# Altium PCB PCB1.PcbDoc (part 2 of 2)
Units mm, origin at the board's own origin, x right, y up, seen from the top; angles counter-clockwise.
Board outline 100.71 x 88.01 mm, 2 copper layers (Top Layer, Bottom Layer); 154 components, 136 nets, 563 pads, 342 vias.
Unrouted connection lines stored in the file: 128.
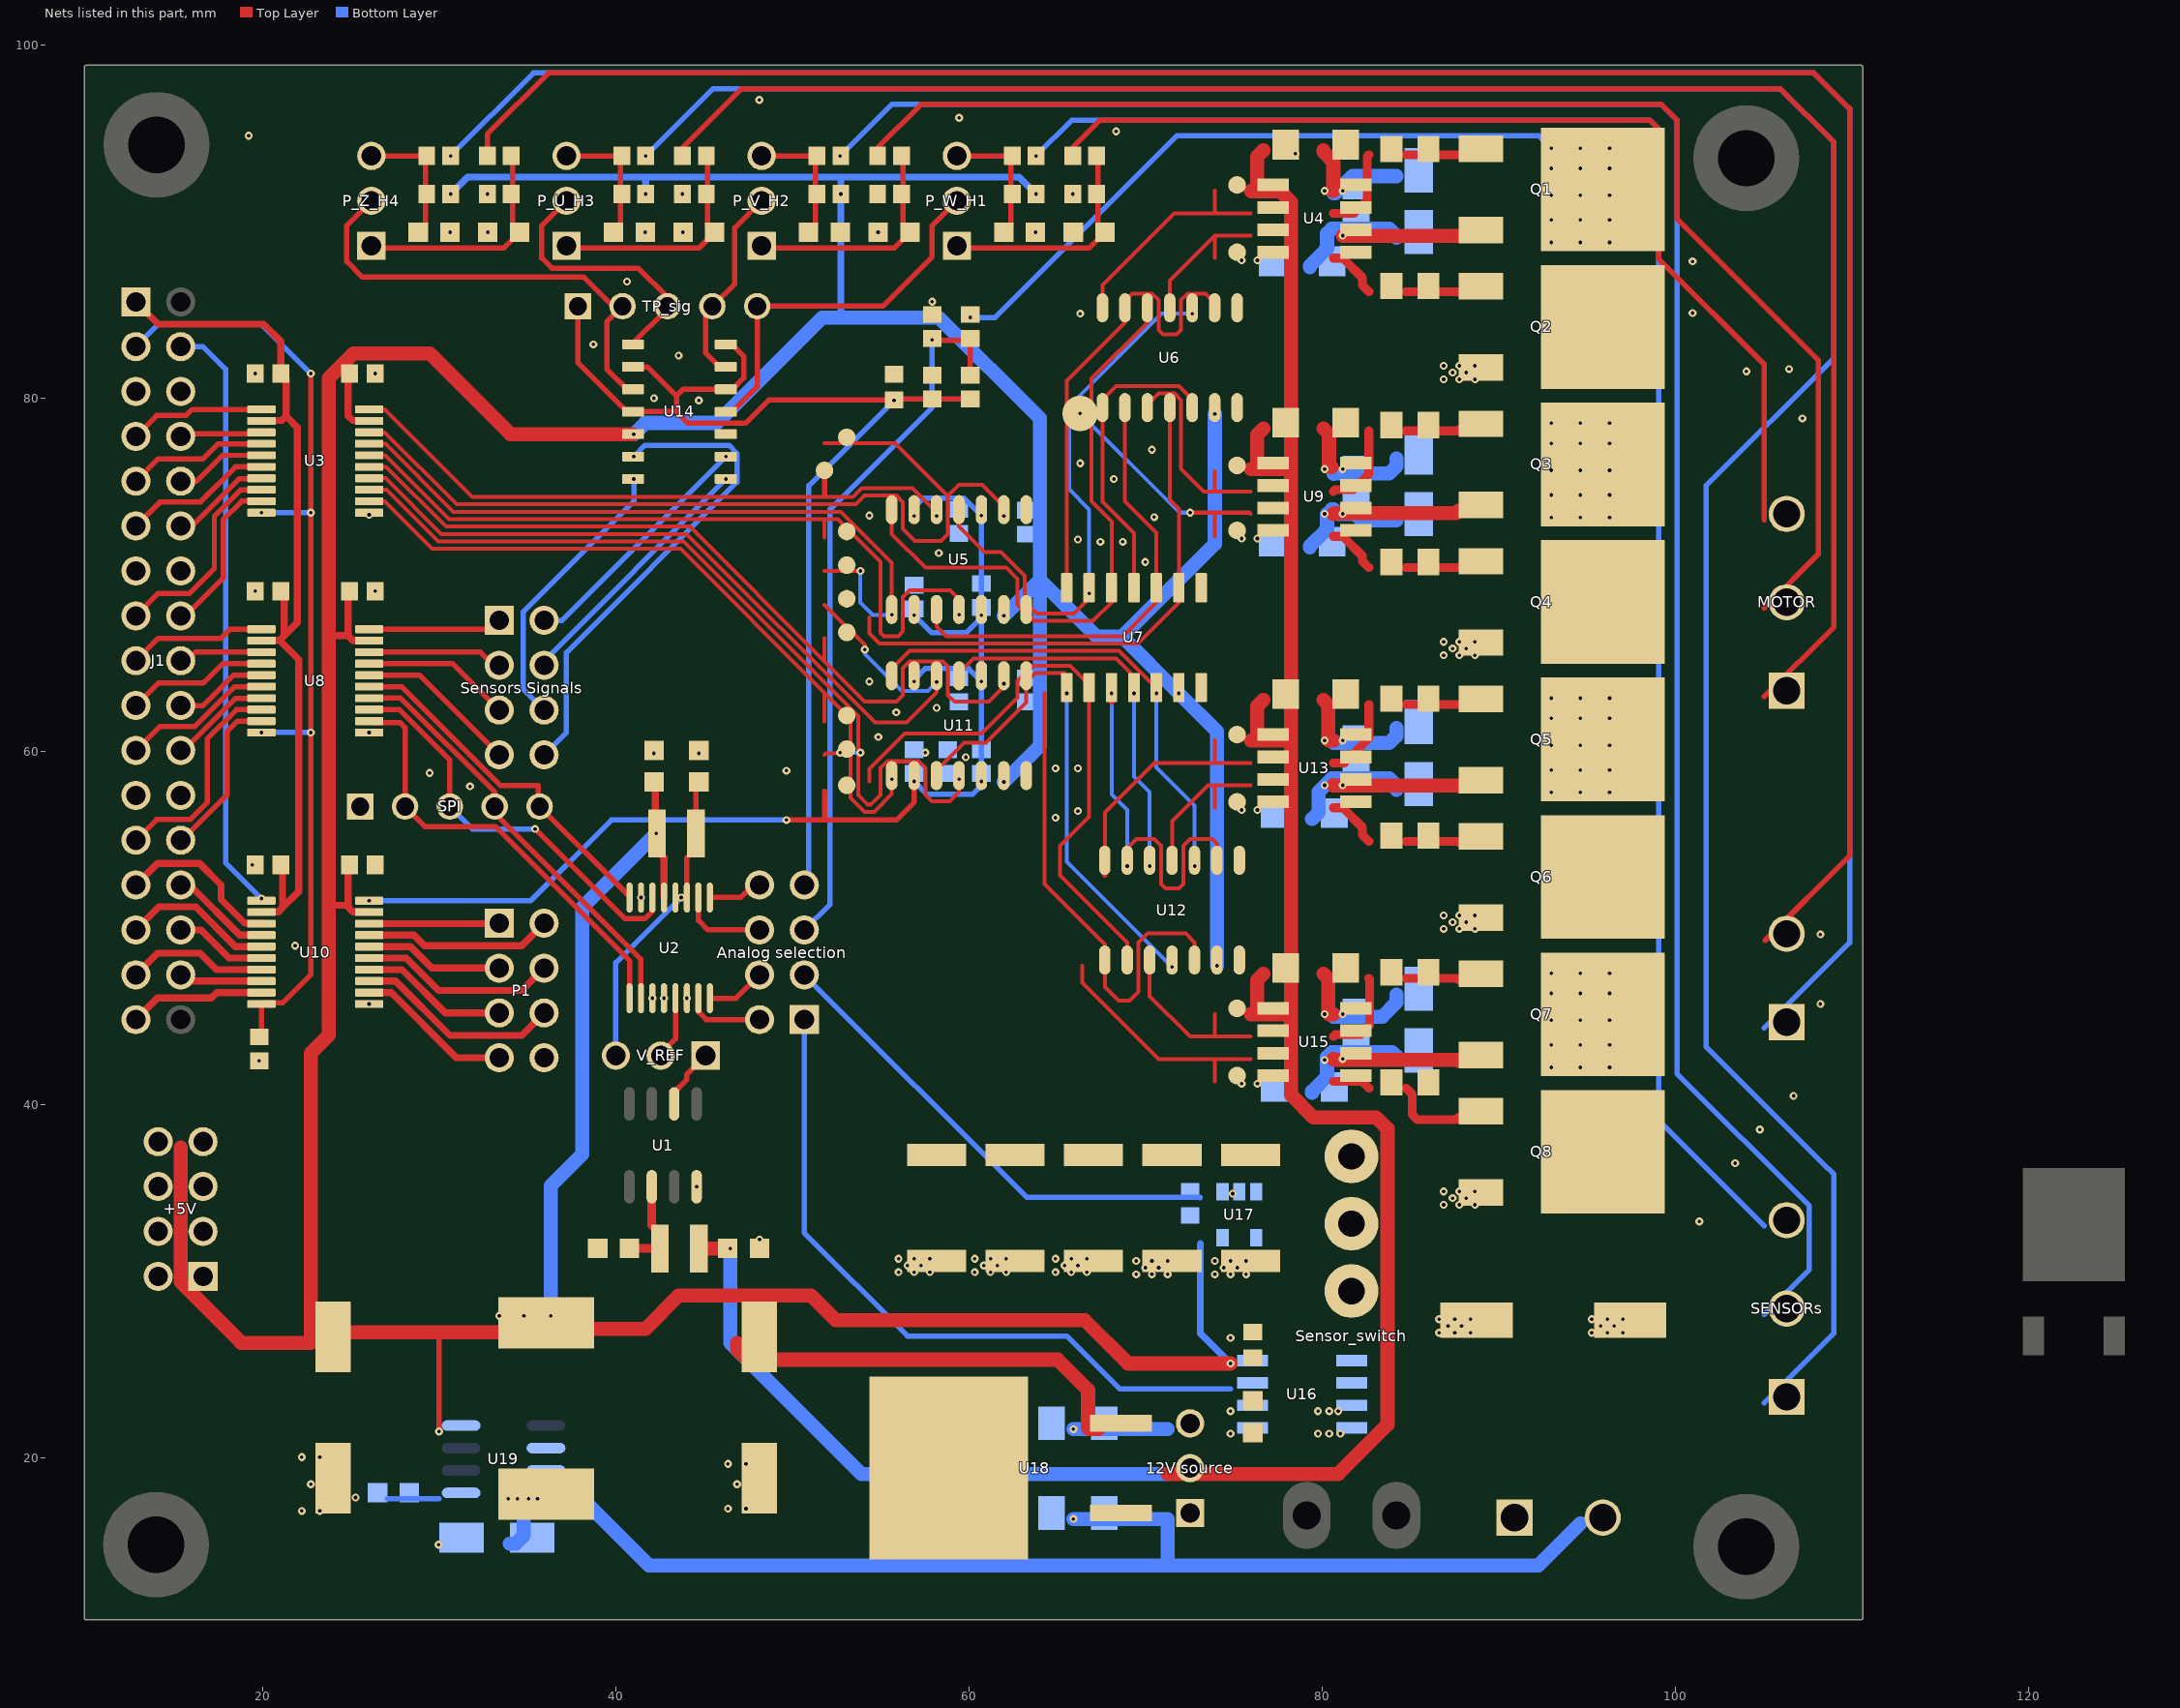
[diagram p2: the nets of this part, all layers, seen from the top]

## Via types
v1: diameter 0.45, hole 0.2, Top Layer to Bottom Layer, tented both sides, 341 vias
v2: diameter 2, hole 0.2, Top Layer to Bottom Layer, tented both sides, 1 vias

## Nets (pads, with @x,y where several pads share a name; then routed paths per layer and width w, separated by ;. In a path a pad name is that pad's centre, name@x,y a point inside that pad or via, vN(x,y) a via of type N, cw(c..) or ccw(c..) an arc to the next point about the centre after c; other vN are vias at no path point)
+5V: +5V.1 +5V.3 +5V.5 +5V.7 C5.2 C10.2 C14.2 C18.2 C24.2 C34.2 L2.1 L3.2 R5.2 R8.2 R11.2 R12.2 U2.13 U3.19 U5.14 U6.14 U7.14 U8.19 U10.19 U11.14 U12.14 U14.12 U16.8 U17.5 U19.4 | length 346
  Top Layer w0.3: 29.972,27.137 29.991,27.118 v1(29.991,21.521)
  Top Layer w0.4: 23.749,51.435 23.876,51.308 24.837,51.308 ; 23.749,66.675 23.853,66.571 24.837,66.571 ; C18.2@24.929,53.594 24.837,53.502 24.837,51.308 ; C14.2@24.929,68.961 24.837,68.869 24.837,66.571 ; C10.2@24.929,81.407 24.837,81.315 24.837,79.017 25.1,78.754 26.012,78.754 U3.19@26.037,78.729 ; U10.19@26.037,50.916 26.012,50.941 25.1,50.941 24.837,51.204 24.837,51.308 ; U8.19@26.037,66.283 26.012,66.308 25.1,66.308 24.837,66.571 ; C5.2@42.28,58.293 42.243,58.256 42.243,55.408 42.207,55.372 42.207,54.522 42.728,54.001 U2.13@42.728,51.745
  Top Layer w0.8: 15.367,37.592 15.367,35.052 15.367,32.512 15.367,29.972 18.738,26.601 18.802,26.537 22.733,26.537 ; U14.12@40.978,77.978 34.036,77.978 29.464,82.55 25.146,82.55 23.749,81.153 23.749,66.675 23.749,51.435 23.749,43.942 22.733,42.926 22.733,26.537 ; v1(74.803,25.368) 68.993,25.368 66.548,27.813 52.451,27.813 51.054,29.21 43.561,29.21 41.686,27.335 34.798,27.335 34.6,27.137 29.972,27.137 23.333,27.137 22.733,26.537
  Bottom Layer w0.4: v1(30.647,91.567) 31.606,92.526 41.656,92.526 ; v1(41.696,91.567) 41.696,92.486 41.656,92.526 ; 52.705,84.582 52.745,84.622 v1(52.745,91.567) 52.745,92.486 52.705,92.526 ; v1(63.794,91.567) 62.835,92.526 52.705,92.526 ; 73.091,32.159 73.091,27.08 v1(74.803,25.368) ; 41.656,92.526 52.705,92.526
  Bottom Layer w0.8: v1(36.322,28.067) 36.322,35.433 38.1,37.211 38.1,51.181 v1(42.291,55.372) ; v1(41.021,77.978) 41.656,78.613 45.72,78.613 51.689,84.582 52.705,84.582 58.293,84.582 64.008,78.867 64.008,69.723 ; v1(61.976,58.293) 64.008,60.325 64.008,69.723 ; v1(61.976,67.691) 64.008,69.723 ; v1(73.914,79.121) 73.914,71.755 68.672,66.513 ; v1(74.041,47.879) 74.041,61.145 v1(71.882,63.304) 68.672,66.513 ; 64.008,69.723 67.218,66.513 68.672,66.513
  other v1: 33.401,28.067 34.798,28.067
+12V: "12V source.2" C3.2 D1.1 D3.1 D5.1 D7.1 L1.1 U4.1 U9.1 U13.1 U15.1 | length 141.6
  Top Layer w0.8: L1.1@44.704,31.877 C3.2@46.355,31.877 ; 71.247,19.108 80.899,19.108 83.693,21.902 83.693,38.666 83.058,39.301 79.502,39.301 78.232,40.571 78.232,45.27 ; 75.946,45.143 76.262,45.143 ; 75.946,60.637 76.262,60.637 ; 75.946,76.004 76.262,76.004 ; 76.659,47.429 76.302,47.072 76.302,45.183 76.262,45.143 ; 76.659,62.923 76.302,62.566 76.302,60.677 76.262,60.637 ; 76.659,78.29 76.302,77.933 76.302,76.044 76.262,76.004 ; 76.659,94.038 76.302,93.681 76.302,91.792 76.262,91.752 75.946,91.752 75.986,91.712 77.637,91.712 78.232,91.117 78.232,75.877 ; 76.262,45.143 78.105,45.143 78.232,45.27 ; 76.262,60.637 78.232,60.637 ; 76.262,76.004 78.105,76.004 78.232,75.877 ; 78.232,45.27 78.232,60.637 ; 78.232,60.637 78.232,75.877
  Bottom Layer w0.8: v1(46.482,31.877) 46.482,26.543 53.917,19.108 71.247,19.108
CS: SPI.2 U2.1 U8.12 | length 25.1
  Top Layer w0.3: U8.12@26.037,61.733 26.112,61.658 27.777,61.658 28.067,61.368 SPI.2@28.067,56.896 29.21,55.753 33.202,55.753 40.778,48.177 U2.1@40.778,46.045
CS_fpga: J1.26 U8.9 | length 9.5
  Top Layer w0.3: J1.26@15.367,54.991 15.439,54.991 17.988,57.54 17.988,61.133 18.587,61.733 U8.9@19.937,61.733
DIN: SPI.4 U2.2 U8.14 | length 24.4
  Top Layer w0.3: U8.14@26.037,63.033 27.816,63.033 33.147,57.702 SPI.4@33.147,56.896 33.147,56.515 41.418,48.244 41.418,46.055 U2.2@41.428,46.045
DIN_fpga: J1.22 U8.7 | length 5.8
  Top Layer w0.3: J1.22@15.367,60.071 15.511,60.071 18.466,63.026 19.93,63.026 U8.7@19.937,63.033
DOUT: SPI.3 U2.14 U8.13 | length 23.4
  Top Layer w0.3: U8.13@26.037,62.383 27.759,62.383 30.607,59.535 SPI.3@30.607,56.896 ; v1(35.433,55.626) 40.514,50.545 41.645,50.545 42.078,50.978 U2.14@42.078,51.745
  Bottom Layer w0.3: SPI.3@30.607,56.896 31.877,55.626 v1(35.433,55.626)
DOUT_fpga: J1.25 U8.8 | length 12.3
  Top Layer w0.3: J1.25@12.827,54.991 14.002,56.166 15.907,56.166 16.863,57.122 16.863,60.715 18.53,62.383 U8.8@19.937,62.383
GND: +5V.2 +5V.4 +5V.6 +5V.8 C3.1 C4.1 C5.1 C6.1 C9.1 C10.1 C13.1 C14.1 C17.1 C18.1 C19.1 C20.1 C21.1 C22.2 C23.1 C24.1 C25.1 C26.1 C27.1 C28.1 C29.1 C30.1 C31.2 C32.1 C33.2 C34.1 C35.1 D2.1 D4.1 D6.1 D8.1 D9.1 J1.5 J1.6 J1.13 J1.14 J1.23 J1.24 J2.1 P1.8 R2.1 R20.1 R21.1 R22.1 R24.1 R26.1 R28.1 R32.1 R33.2 R34.2 R35.2 R36.2 R37.2 R38.1 R39.1 R40.1 R41.1 R42.1 R43.1 R44.1 R45.1 R46.1 SPI.1 U1.4 U2.3 U2.4 U2.6 U2.15 U3.11 U4.4 U5.7 U6.7 U7.7 U8.11 U9.4 U10.11 U11.7 U12.7 U13.4 U14.3 U15.4 U16.3 U16.4 U16.5 U17.2 U17.4 U18.4 U19.6
  other v1: 29.972,15.113 22.225,17.018 23.241,17.018 46.355,17.145 47.371,17.145 25.273,17.78 22.733,18.537 46.863,18.537 46.355,19.685 47.371,19.685 22.225,20.066 23.241,20.066 74.803,21.394 79.756,21.394 80.391,21.394 81.026,21.394 79.756,22.664 80.391,22.664 80.899,22.664 74.803,26.818 86.614,27.109 87.503,27.109 88.392,27.109 87.122,27.49 87.884,27.49 86.614,27.871 87.503,27.871 88.392,27.871 69.469,30.411 70.358,30.411 71.247,30.411 73.914,30.411 74.803,30.411 75.692,30.411 56.007,30.538 56.896,30.538 57.785,30.538 60.325,30.538 61.214,30.538 62.103,30.538 64.897,30.538 65.786,30.538 66.675,30.538 69.977,30.792 70.739,30.792 74.422,30.792 75.184,30.792 56.515,30.919 57.277,30.919 60.833,30.919 61.595,30.919 65.405,30.919 66.167,30.919 69.469,31.173 70.358,31.173 71.247,31.173 73.914,31.173 74.803,31.173 75.692,31.173 56.007,31.3 56.896,31.3 57.785,31.3 60.325,31.3 61.214,31.3 62.103,31.3 64.897,31.3 65.786,31.3 66.675,31.3 48.144,32.385 101.346,33.401 44.577,35.369 103.378,36.703 104.775,38.608 106.68,40.513 75.438,41.206 76.327,41.206 19.812,42.505 26.037,45.716 108.204,45.72 42.078,46.045 42.728,46.045 44.028,46.045 21.844,49.022 108.204,49.657 41.428,51.745 19.42,53.594 64.897,56.261 66.167,56.642 75.438,56.7 76.327,56.7 31.75,58.039 29.464,58.801 49.657,58.928 64.897,59.055 66.167,59.055 59.817,59.69 42.164,59.907 44.704,59.907 57.531,59.944 54.864,60.833 26.037,61.083 55.88,62.23 58.166,62.484 54.356,63.97 19.595,69.088 26.379,69.088 69.977,70.739 58.293,71.247 67.437,71.882 68.707,71.882 66.167,72.009 75.438,72.067 76.327,72.067 70.485,73.279 54.356,73.368 26.035,73.406 68.199,75.438 66.294,76.327 70.358,77.089 107.188,78.867 44.704,79.883 42.164,80.01 19.595,81.407 26.379,81.407 104.013,81.534 106.426,81.661 43.561,82.423 38.735,83.058 66.294,84.798 100.965,84.836 57.912,85.471 40.64,86.614 100.965,87.757 75.438,87.815 76.327,87.815 30.618,89.408 32.755,89.408 41.667,89.408 43.804,89.408 54.853,89.408 63.765,89.408 32.726,91.567 43.775,91.567 65.873,91.567 78.486,93.853 19.214,94.869 68.326,95.123 59.436,95.885 48.133,96.901
H1: R13.2 SENSORs.3 | length 100.9
  Bottom Layer w0.3: v1(63.794,93.726) 65.826,95.758 98.552,95.758 99.06,95.25 99.06,50.332 99.06,39.116 105.029,33.147
H2: R14.2 SENSORs.2 | length 120.7
  Bottom Layer w0.3: v1(52.705,93.726) 55.626,96.647 99.187,96.647 100.076,95.758 100.076,41.783 107.569,34.29 107.569,30.687 105.029,28.147
H3: R15.2 SENSORs.1 | length 149.1
  Bottom Layer w0.3: v1(41.696,93.726) 45.506,97.536 105.918,97.536 108.966,94.488 108.966,82.296 101.727,75.057 101.727,43.307 108.331,36.703 108.966,36.068 108.966,27.084 105.029,23.147
H4: EXTRA.1 R17.2 | length 136
  Bottom Layer w0.3: v1(30.647,93.726) 35.346,98.425 107.823,98.425 109.855,96.393 109.855,49.189 105.029,44.363
I/O_0_fpga: J1.27 U10.3 | length 9.5
  Top Layer w0.4: J1.27@12.827,52.451 14.052,53.676 16.428,53.676 17.653,52.451 17.653,51.638 19,50.291 19.912,50.291 U10.3@19.937,50.266
I/O_1_fpga: J1.28 U10.4 | length 5.7
  Top Layer w0.4: J1.28@15.367,52.451 15.875,52.451 18.71,49.616 U10.4@19.937,49.616
I/O_2_fpga: J1.29 U10.5 | length 8.6
  Top Layer w0.4: J1.29@12.827,49.911 14.142,51.226 16.211,51.226 18.471,48.966 U10.5@19.937,48.966
I/O_3_fpga: J1.30 U10.6 | length 5.2
  Top Layer w0.4: J1.30@15.367,49.911 16.51,49.911 18.105,48.316 U10.6@19.937,48.316
I/O_4_fpga: J1.31 U10.7 | length 8
  Top Layer w0.4: J1.31@12.827,47.371 14.052,48.596 16.463,48.596 17.393,47.666 U10.7@19.937,47.666
I/O_5_fpga: J1.32 U10.8 | length 4.7
  Top Layer w0.4: J1.32@15.367,47.371 15.705,47.371 16.06,47.016 U10.8@19.937,47.016
I/O_6_fpga: J1.33 U10.9 | length 7.7
  Top Layer w0.4: J1.33@12.827,44.831 14.052,46.056 17.1,46.056 17.41,46.366 U10.9@19.937,46.366
I_ACS: "Analog selection.1" U16.7 | length 39.8
  Bottom Layer w0.3: 50.673,44.831 50.673,32.766 56.515,26.924 65.532,26.924 68.522,23.934 74.797,23.934
I_INA: "Analog selection.3" R32.2 U17.1 | length 27.6
  Bottom Layer w0.3: 50.673,47.371 63.275,34.769 71.247,34.769 73.081,34.769 73.091,34.759
M_EN: M_EN_in.1 R38.2 R40.2 U3.18 U5.1 U5.2 U5.5 U5.10 U5.13 U10.20 U11.2 U11.5 U11.10 U11.13 W_L_in.1 | length 121.2
  Top Layer w0.22: U3.18@26.037,78.079 26.909,78.079 30.986,74.002 53.592,74.002 54.093,74.503 55.889,74.503 56.261,74.131 56.261,72.604 56.926,71.94 58.42,71.94 58.801,72.321 58.801,74.48 ; 51.816,77.47 55.811,77.47 58.801,74.48 ; U5.2@61.976,73.368 61.976,73.868 60.729,75.115 59.436,75.115 58.801,74.48
  Top Layer w0.3: v1(49.657,56.134) 49.659,56.136 51.816,56.136 ; 51.816,57.77 51.816,56.136 ; v1(56.896,58.32) 56.896,57.15 55.882,56.136 51.816,56.136
  Bottom Layer w0.3: v1(26.037,51.566) 35.183,51.566 39.751,56.134 v1(49.657,56.134) ; v1(56.896,58.32) 57.627,57.589 60.198,57.589 60.677,58.068 60.677,58.291 v1(60.706,58.32) v1(60.706,63.97) ; v1(56.896,63.97) 56.896,64.076 57.52,64.701 59.975,64.701 v1(60.706,63.97) ; v1(56.896,67.718) 57.881,66.733 59.828,66.733 v1@60.706,67.611 ; v1(56.896,73.337) 56.925,73.365 56.925,73.873 57.404,74.353 59.721,74.353 v1(60.706,73.368) v1(60.706,67.718) v1@60.706,67.611 ; v1(60.706,63.97) v1@60.706,67.611
  other v1: 61.976,73.337
M_EN_fpga: J1.4 U10.1 | length 33.9
  Bottom Layer w0.3: J1.4@15.367,82.931 15.372,82.926 16.642,82.926 17.907,81.661 17.907,53.721 v1(19.939,51.689)
M_VCC: "12V source.1" C22.1 C31.1 J2.2 Q1.4 Q3.4 Q5.4 Q7.4 R18.2 U18.1 U19.7 | length 108.3
  Bottom Layer w0.3: v1(60.071,84.582) 61.468,84.582 71.755,94.869 92.26,94.869 v1(92.964,94.165)
  Bottom Layer w0.8: 34.785,18.981 36.83,18.981 41.875,13.936 71.247,13.936 ; v1(65.913,16.568) 66.398,16.568 71.247,16.568 71.247,13.936 ; 94.615,16.314 92.237,13.936 71.247,13.936
  other v1: 95.25,27.109 96.139,27.109 97.028,27.109 95.758,27.49 96.52,27.49 95.25,27.871 96.139,27.871 97.028,27.871 92.964,42.131 94.615,42.131 96.266,42.131 92.964,43.401 94.615,43.401 96.266,43.401 92.964,44.798 94.615,44.798 96.266,44.798 92.964,46.322 94.615,46.322 96.266,46.322 92.964,47.465 94.615,47.465 96.266,47.465 92.964,57.697 94.615,57.697 96.266,57.697 92.964,58.967 94.615,58.967 96.266,58.967 92.964,60.364 94.615,60.364 96.266,60.364 92.964,61.888 94.615,61.888 96.266,61.888 92.964,63.031 94.615,63.031 96.266,63.031 92.964,73.264 94.615,73.264 96.266,73.264 92.964,74.534 94.615,74.534 96.266,74.534 92.964,75.931 94.615,75.931 96.266,75.931 92.964,77.455 94.615,77.455 96.266,77.455 92.964,78.598 94.615,78.598 96.266,78.598 92.964,88.831 94.615,88.831 96.266,88.831 92.964,90.101 94.615,90.101 96.266,90.101 92.964,91.498 94.615,91.497 96.266,91.498 92.964,93.022 94.615,93.022 96.266,93.022 94.615,94.165 96.266,94.165
MID_POINT: "Analog selection.7" C26.2 R19.1 R20.2 TP_sig.1 U14.5 U14.7 U14.9 U14.11 | length 67
  Top Layer w0.3: 37.846,84.455 37.846,82.03 40.628,79.248 U14.11@40.978,79.248 43.434,79.248 ; U14.9@40.978,81.788 41.783,81.788 43.434,80.137 ; U14.7@46.228,83.058 46.578,83.058 47.244,82.392 47.244,81.153 46.609,80.518 U14.5@46.228,80.518 43.815,80.518 43.434,80.137 ; R19.1@60.071,79.97 R20.2@57.912,79.97 55.803,79.97 C26.2@55.753,79.92 48.678,79.92 47.371,78.613 44.069,78.613 43.434,79.248 ; 43.434,79.248 43.434,80.137
  Bottom Layer w0.3: 50.673,52.451 50.927,52.705 50.927,75.057 v1(55.753,79.883)
"Net12V source_3": "12V source.3" C32.2 C33.1 U18.3 | length 29.3
  Top Layer w0.8: 46.863,26.537 46.863,26.185 47.463,25.585 65.024,25.585 66.738,23.871 66.738,21.723 66.813,21.648 U18.3@67.337,21.648
  Bottom Layer w0.8: v1(65.913,21.648) 66.398,21.648 71.247,21.648
NetC1_1: C1.1 C2.2 D1.2 U4.8 | length 6.5
  Top Layer w0.8: 80.059,94.038 80.059,93.958 80.625,93.392 ; 80.626,91.752 80.626,93.392
  Bottom Layer w0.8: 80.645,91.609 80.745,91.609 81.721,92.585 84.201,92.585
  other v1: 80.137,91.752 81.153,91.752
NetC4_2: C4.2 L1.2 U1.2 | length 5.4
  Top Layer w0.5: C4.2@40.778,31.877 L1.2@42.504,31.877 42.504,32.727 42.037,33.194 U1.2@42.037,35.369
NetC6_2: C6.2 L2.2 U2.11 U2.12 V_REF.3 | length 17.9
  Top Layer w0.3: U2.12@43.378,51.745 v1(43.703,51.745) U2.11@44.028,51.745 44.028,54.016 44.534,54.522 L2.2@44.534,55.372 44.534,58.112 C6.2@44.704,58.282
  Bottom Layer w0.3: V_REF.3@40.005,42.799 40.005,48.047 v1(43.703,51.745)
NetC7_1: C7.1 C8.2 D3.2 U9.8 | length 6.7
  Top Layer w0.5: 80.516,76.114 80.626,76.004
  Top Layer w0.8: 80.059,78.29 80.38,77.969 80.38,76.25 80.516,76.114
  Bottom Layer w0.8: 80.645,75.734 80.672,75.761 83.801,75.761 84.201,76.161 84.201,76.611
  other v1: 80.137,76.004 81.153,76.004
NetC11_1: C11.1 C12.2 D5.2 U13.8 | length 6.8
  Top Layer w0.8: 80.059,62.923 80.342,62.639 80.342,60.677 80.382,60.637 80.626,60.637
  Bottom Layer w0.8: 80.645,60.494 83.801,60.494 84.201,60.894 84.201,61.343
  other v1: 80.137,60.637 81.153,60.637
NetC15_1: C15.1 C16.2 D7.2 U15.8 | length 7
  Top Layer w0.8: 80.059,47.429 80.342,47.145 80.342,45.183 80.382,45.143 80.626,45.143
  Bottom Layer w0.8: 80.645,45 83.393,45 84.201,45.808 84.201,46.258
  other v1: 80.137,45.143 81.153,45.143
NetC19_2: C19.2 P_W_H1.3 R5.1 R13.1 | length 7.7
  Top Layer w0.3: P_W_H1.3@59.309,93.726 R13.1@62.444,93.726 62.365,93.647 62.365,89.808 C19.2@61.965,89.408
NetC20_2: C20.2 P_V_H2.3 R8.1 R14.1 | length 7.5
  Top Layer w0.3: P_V_H2.3@48.26,93.726 51.237,93.726 51.316,93.647 51.316,89.808 C20.2@50.916,89.408
NetC21_2: C21.2 P_U_H3.3 R11.1 R15.1 | length 7.7
  Top Layer w0.3: P_U_H3.3@37.211,93.726 R15.1@40.346,93.726 40.267,93.647 40.267,89.808 C21.2@39.867,89.408
NetC23_2: C23.2 U16.6
  other v1: 74.803,22.664
NetC25_2: C25.2 P_Z_H4.3 R12.1 R17.1 | length 7.5
  Top Layer w0.3: P_Z_H4.3@26.162,93.726 29.139,93.726 29.218,93.647 29.218,89.808 C25.2@28.818,89.408
NetC27_2: C27.2 P_W_H1.1 R22.2 R23.1 | length 13.3
  Top Layer w0.3: P_W_H1.1@59.309,88.646 59.447,88.508 66.802,88.508 C27.2@67.702,89.408 67.302,89.808 67.302,93.647 R23.1@67.223,93.726
NetC28_2: C28.2 P_V_H2.1 R24.2 R25.1 | length 13.3
  Top Layer w0.3: P_V_H2.1@48.26,88.646 48.398,88.508 55.753,88.508 C28.2@56.653,89.408 56.253,89.808 56.253,93.647 R25.1@56.174,93.726
NetC29_2: C29.2 P_U_H3.1 R26.2 R27.1 | length 13.3
  Top Layer w0.3: P_U_H3.1@37.211,88.646 37.349,88.508 44.704,88.508 C29.2@45.604,89.408 45.204,89.808 45.204,93.647 R27.1@45.125,93.726
NetC30_2: C30.2 P_Z_H4.1 R28.2 R29.1 | length 13.3
  Top Layer w0.3: P_Z_H4.1@26.162,88.646 26.3,88.508 33.655,88.508 C30.2@34.555,89.408 34.155,89.808 34.155,93.647 R29.1@34.076,93.726
NetC35_2: C35.2 U19.1 | length 2.9
  Bottom Layer w0.3: 27.051,17.711 29.985,17.711
NetD9_2: D9.2 L3.1 U19.8 | length 3.1
  Bottom Layer w0.8: 34.004,15.171 34.335,15.171 34.785,15.621 34.785,17.711
  other v1: 33.915,17.711 34.423,17.711 35.058,17.711 35.566,17.711
NetP1_1: P1.1 U10.18 | length 7.4
  Top Layer w0.4: U10.18@26.037,50.266 33.375,50.266 P1.1@33.401,50.292
NetP1_2: P1.2 U10.17 | length 10.7
  Top Layer w0.4: U10.17@26.037,49.616 28.576,49.616 29.17,49.022 34.671,49.022 P1.2@35.941,50.292
NetP1_3: P1.3 U10.16 | length 7.9
  Top Layer w0.4: U10.16@26.037,48.966 28.377,48.966 29.591,47.752 P1.3@33.401,47.752
NetP1_4: P1.4 U10.15 | length 11.2
  Top Layer w0.4: U10.15@26.037,48.316 28.138,48.316 29.972,46.482 34.671,46.482 P1.4@35.941,47.752
NetP1_5: P1.5 U10.14 | length 8.4
  Top Layer w0.4: U10.14@26.037,47.666 27.899,47.666 30.353,45.212 P1.5@33.401,45.212
NetP1_6: P1.6 U10.13 | length 11.7
  Top Layer w0.4: U10.13@26.037,47.016 27.533,47.016 30.607,43.942 34.671,43.942 P1.6@35.941,45.212
NetP1_7: P1.7 U10.12 | length 8.9
  Top Layer w0.4: U10.12@26.037,46.366 27.294,46.366 30.988,42.672 P1.7@33.401,42.672
NetQ1_1: Q1.1 R1.1 | length 3
  Top Layer w0.5: 84.743,93.784 87.701,93.784 87.715,93.797
NetQ2_1: Q2.1 R3.1 | length 3
  Top Layer w0.5: 84.743,86.037 87.693,86.037 87.715,86.014
NetQ2_3: Q2.3 Q4.3 Q6.3 Q8.3 Sensor_switch.2
  other v1: 86.868,34.348 87.757,34.348 88.646,34.348 87.376,34.729 88.138,34.729 86.868,35.11 87.757,35.11 88.646,35.11 86.868,49.969 87.757,49.969 88.646,49.969 87.376,50.35 88.138,50.35 86.868,50.731 87.757,50.731 88.646,50.731 86.868,65.463 87.757,65.463 88.646,65.463 87.376,65.844 88.138,65.844 86.868,66.225 87.757,66.225 88.646,66.225 86.868,81.084 87.757,81.084 88.646,81.084 87.376,81.465 88.138,81.465 86.868,81.846 87.757,81.846 88.646,81.846
NetQ3_1: Q3.1 R4.1 | length 3
  Top Layer w0.5: 84.743,78.163 87.647,78.163 87.715,78.231
NetQ4_1: Q4.1 R6.1 | length 3
  Top Layer w0.5: 84.743,70.416 87.683,70.416 87.715,70.448
NetQ5_1: Q5.1 R7.1 | length 3
  Top Layer w0.5: 84.743,62.669 87.711,62.669 87.715,62.664
NetQ6_1: Q6.1 R9.1 | length 3
  Top Layer w0.5: 84.743,54.922 87.675,54.922 87.715,54.881
NetQ7_1: Q7.1 R10.1 | length 3
  Top Layer w0.5: 84.743,47.175 87.638,47.175 87.715,47.098
NetQ8_1: Q8.1 R16.1 | length 4.4
  Top Layer w0.5: 84.743,40.952 85.09,40.605 85.09,39.466 85.383,39.174 87.574,39.174 87.715,39.315
NetR1_2: R1.2 U4.7 | length 4.8
  Top Layer w0.5: 80.626,90.482 81.788,90.482 82.55,91.244 82.55,93.691 82.643,93.784
NetR3_2: R3.2 U4.5 | length 3.1
  Top Layer w0.5: 80.626,87.942 81.156,87.942 82.268,86.83 82.268,86.412 82.643,86.037
NetR4_2: R4.2 U9.7 | length 4.9
  Top Layer w0.5: 80.626,74.734 80.736,74.844 81.771,74.844 82.643,75.716 82.643,78.163
NetR6_2: R6.2 U9.5 | length 2.9
  Top Layer w0.5: 80.626,72.194 81.156,72.194 82.268,71.082 82.268,70.791 82.643,70.416
NetR7_2: R7.2 U13.7 | length 4.5
  Top Layer w0.5: 80.626,59.367 81.242,59.367 82.643,60.767 82.643,62.669
NetR9_2: R9.2 U13.5 | length 3.1
  Top Layer w0.5: 80.626,56.827 81.156,56.827 82.268,55.715 82.268,55.297 82.643,54.922
NetR10_2: R10.2 U15.7 | length 5
  Top Layer w0.5: 80.626,43.873 80.736,43.983 82.152,43.983 82.677,44.508 82.677,47.141 82.643,47.175
NetR16_2: R16.2 U15.5 | length 2.2
  Top Layer w0.5: 80.626,41.333 82.268,41.333 82.643,40.958 82.643,40.952
NetR33_1: R33.1 R34.1 R35.1 R36.1 R37.1 Sensor_switch.3 U17.3
  other v1: 74.93,34.983
NetSensor_switch_1: Sensor_switch.1 U16.1 U16.2
"NetSensors Signals_1": "Sensors Signals.1" U8.20 | length 7.6
  Top Layer w0.3: U8.20@26.037,66.933 32.897,66.933 33.401,67.437
"NetSensors Signals_3": "Sensors Signals.3" U8.18 | length 7.7
  Top Layer w0.3: U8.18@26.037,65.633 32.334,65.633 33.07,64.897 33.401,64.897
"NetSensors Signals_5": "Sensors Signals.5" U8.17 | length 8.5
  Top Layer w0.3: U8.17@26.037,64.983 30.775,64.983 33.401,62.357
"NetSensors Signals_7": "Sensors Signals.7" U8.16 | length 9.2
  Top Layer w0.3: U8.16@26.037,64.333 28.885,64.333 33.401,59.817
NetU1_6: U1.6 V_REF.1 | length 3.5
  Top Layer w0.3: U1.6@43.307,40.069 43.307,40.719 44.011,41.423 44.011,41.725 V_REF.1@45.085,42.799
NetU2_5: U2.5 V_REF.2 | length 3.6
  Top Layer w0.3: V_REF.2@42.545,42.799 42.545,42.901 43.378,43.734 U2.5@43.378,46.045
NetU4_2: U4.2 U6.6 W_H_out.1 | length 13
  Top Layer w0.22: 67.564,84.798 67.564,86.418 71.628,90.482 73.914,90.482 ; 73.914,91.752 73.914,90.482 ; 75.946,90.482 73.914,90.482
NetU4_3: U4.3 U6.3 W_L_out.1 | length 8.8
  Top Layer w0.22: 71.374,84.798 71.374,86.164 71.371,86.166 71.371,86.669 73.914,89.212 ; 73.914,87.942 73.914,89.212 ; 75.946,89.212 73.914,89.212
NetU5_3: U5.3 U6.2 U7.5 | length 31.6
  Top Layer w0.22: 59.436,73.241 59.436,72.741 60.872,71.305 61.808,71.305 63.158,69.954 63.158,68.498 63.837,67.819 65.957,67.819 66.802,68.664 v1(66.802,68.954)
  Bottom Layer w0.22: v1(66.802,68.954) 66.802,73.716 65.659,74.859 65.659,79.56 70.897,84.798 v1(72.644,84.798)
NetU5_6: U5.6 U6.4 U7.4 | length 34.8
  Top Layer w0.22: 55.626,73.241 55.626,72.321 57.531,70.416 62.103,70.416 62.738,69.781 62.738,68.324 63.663,67.399 67.017,67.399 68.072,68.454 68.072,68.954 68.072,73.038 66.929,74.181 66.929,81.123 70.104,84.298 70.104,84.798
NetU5_8: U5.8 U6.12 U7.1 | length 30.5
  Top Layer w0.22: 54.356,67.591 54.356,66.71 54.939,66.126 69.555,66.126 71.882,68.454 71.882,68.954 71.882,73.749 71.374,74.257 71.374,79.148
NetU5_11: U5.11 U6.10 U7.2 | length 25.6
  Top Layer w0.22: 58.166,67.21 58.166,67.091 58.71,66.546 68.705,66.546 70.612,68.454 70.612,68.954 70.612,72.395 68.834,74.173 68.834,79.148 ; 58.166,67.462 58.166,67.718 58.166,68.003
NetU6_1: U6.1 U6.5 U7.6 | length 27.9
  Top Layer w0.22: 65.532,68.954 65.532,80.996 68.834,84.298 68.834,84.798 68.834,85.529 69.238,85.933 70.367,85.933 70.739,85.561 70.739,83.878 70.993,83.624 71.755,83.624 72.009,83.878 72.009,85.561 72.381,85.933 73.383,85.933 73.871,85.445 73.871,84.841 73.914,84.798
NetU6_8: U6.8 U9.3 V_L_out.1 | length 13.3
  Top Layer w0.22: v1(72.517,73.533) 73.914,73.533 ; 73.914,72.194 73.914,73.533 ; 75.946,73.464 75.877,73.533 73.914,73.533
  Bottom Layer w0.22: v2(66.294,79.148) 71.909,73.533 v1(72.517,73.533)
NetU6_9: U6.9 U6.13 U7.3 | length 18.2
  Top Layer w0.22: 69.342,68.954 69.342,72.362 67.564,74.14 67.564,79.148 67.564,79.941 68.326,80.703 71.882,80.703 72.644,79.941 72.644,79.148
NetU6_11: U6.11 U9.2 V_H_out.1 | length 12.3
  Top Layer w0.22: 70.104,79.148 70.104,79.648 70.739,80.283 71.637,80.283 72.009,79.911 72.009,76.004 73.279,74.734 73.914,74.734 ; 73.914,75.877 73.914,74.734 ; 75.946,74.734 73.914,74.734
NetU7_8: U7.8 U12.9 U12.13 | length 28.2
  Top Layer w0.22: 64.262,63.304 64.262,52.509 67.691,49.08 67.691,47.875 67.691,46.667 68.453,45.905 69.088,45.905 69.596,46.413 69.596,49.207 70.104,49.715 72.263,49.715 72.771,49.207 72.771,47.875
NetU7_9: U7.9 U11.11 U12.12 | length 30
  Top Layer w0.22: 58.166,58.32 58.166,58.936 59.74,60.51 60.96,60.51 63.246,62.796 63.246,63.937 63.756,64.447 65.403,64.447 65.532,64.318 v1(65.532,63.304)
  Bottom Layer w0.22: v1(65.532,63.304) 65.532,53.779 v1(71.501,47.81)
NetU7_10: U7.10 U11.8 U12.10 | length 34.8
  Top Layer w0.22: 54.356,58.32 54.356,59.041 55.609,60.295 55.624,60.295 56.347,61.018 60.706,61.018 62.738,63.05 62.738,64.023 63.582,64.867 65.739,64.867 66.802,63.804 66.802,63.304 66.802,56.319 65.151,54.668 65.151,53.017 68.961,49.207 68.961,47.875
NetU7_11: U7.11 U12.1 U12.5 | length 23.2
  Top Layer w0.22: v1(68.961,53.525) 69.043,53.607 69.043,54.623 69.469,55.049 70.485,55.049 70.866,54.668 70.866,52.51 71.122,52.255 71.882,52.255 72.136,52.509 72.136,54.668 72.517,55.049 73.787,55.049 74.041,54.795 74.041,53.525
  Top Layer w0.3: 68.072,62.804 v1(68.072,63.304)
  Bottom Layer w0.22: v1(68.072,63.304) 68.072,57.589 68.961,56.7 v1(68.961,53.525)
NetU7_12: U7.12 U11.3 U12.4 | length 22.3
  Top Layer w0.22: 59.436,63.97 59.436,64.47 60.253,65.287 68.325,65.287 69.342,64.269 v1(69.342,63.304)
  Bottom Layer w0.22: v1(69.342,63.304) 69.342,58.605 70.231,57.716 v1(70.231,53.525)
NetU7_13: U7.13 U11.6 U12.2 | length 28.5
  Top Layer w0.22: 55.626,63.97 55.626,64.691 56.641,65.707 68.499,65.707 70.612,63.593 v1(70.612,63.304)
  Top Layer w0.3: v1(72.771,53.525) 72.771,54.025
  Bottom Layer w0.22: v1(70.612,63.304) 70.612,59.113 72.771,56.954 v1(72.771,53.525)
NetU12_3: U12.3 U13.3 U_L_out.1 | length 9.1
  Top Layer w0.22: 71.501,53.525 71.501,56.065 73.533,58.097 73.914,58.097 ; 73.914,56.827 73.914,58.097 ; 75.946,58.097 73.914,58.097
NetU12_6: U12.6 U13.2 U_H_out.1 | length 14.2
  Top Layer w0.22: 67.691,53.525 67.691,56.573 70.485,59.367 73.914,59.367 ; 73.914,60.637 73.914,59.367 ; 75.946,59.367 73.914,59.367
  Top Layer w0.3: 67.691,53.025 67.691,53.525
NetU12_8: U12.8 U15.3 Z_L_out.1 | length 13.5
  Top Layer w0.22: 66.421,47.875 66.421,46.921 70.739,42.603 73.914,42.603 ; 73.914,41.333 73.914,42.603 ; 75.946,42.603 73.914,42.603
NetU12_11: U12.11 U15.2 Z_H_out.1 | length 9.6
  Top Layer w0.22: 70.231,47.875 70.231,46.159 72.517,43.873 73.914,43.873 ; 73.914,45.143 73.914,43.873 ; 75.946,43.873 73.914,43.873
OE: J1.3 R2.2 U3.10 U8.10 U10.10 | length 56.6
  Top Layer w0.3: R2.2@19.812,43.855 19.937,43.98 U10.10@19.937,45.716 20.012,45.791 21.153,45.791 22.733,47.371 v1(22.733,61.087) v1(22.733,73.533) v1(22.733,81.407)
  Bottom Layer w0.3: J1.3@12.827,82.931 14.097,84.201 19.939,84.201 v1(22.733,81.407) ; v1(19.937,61.083) 19.939,61.085 22.731,61.085 v1(22.733,61.087) ; v1(19.937,73.529) 22.729,73.529 v1(22.733,73.533)
S1: "Sensors Signals.2" U14.2 | length 14.1
  Bottom Layer w0.3: 35.941,67.437 36.957,67.437 v1(46.228,76.708)
S1_fpga: J1.17 U8.1 | length 7.8
  Top Layer w0.3: J1.17@12.827,65.151 14.097,66.421 17.653,66.421 18.165,66.933 U8.1@19.937,66.933
S2: "Sensors Signals.4" U14.1 | length 14.8
  Bottom Layer w0.3: 35.941,64.897 35.941,65.151 v1(46.228,75.438)
S2_fpga: J1.18 U8.3 | length 4.8
  Top Layer w0.3: J1.18@15.367,65.151 15.732,65.151 16.214,65.633 U8.3@19.937,65.633
S3: "Sensors Signals.6" U14.14 | length 16.2
  Bottom Layer w0.3: 35.941,62.357 34.766,63.532 34.766,67.924 41.021,74.179 v1(41.021,75.438)
S3_fpga: J1.19 U8.4 | length 8.1
  Top Layer w0.3: J1.19@12.827,62.611 14.097,63.881 16.637,63.881 17.739,64.983 U8.4@19.937,64.983
S4: "Sensors Signals.8" U14.13 | length 27.9
  Bottom Layer w0.3: 35.941,59.817 37.211,61.087 37.211,65.608 46.863,75.26 46.863,76.886 46.406,77.343 41.656,77.343 v1(41.021,76.708)
S4_fpga: J1.20 U8.5 | length 5.3
  Top Layer w0.3: J1.20@15.367,62.611 15.372,62.616 16.642,62.616 18.359,64.333 U8.5@19.937,64.333
SCLK: SPI.5 U2.16 U8.15 | length 20.4
  Top Layer w0.3: U8.15@26.037,63.683 27.873,63.683 33.46,58.096 35.619,58.096 35.619,56.964 SPI.5@35.687,56.896 40.798,51.785 U2.16@40.768,51.755
SCLK_fpga: J1.21 U8.6 | length 8.6
  Top Layer w0.3: J1.21@12.827,60.071 14.192,61.436 16.169,61.436 18.416,63.683 U8.6@19.937,63.683
U: C11.2 C12.1 D6.2 MOTOR.1 Q5.3 Q6.4 R27.2 U13.6 | length 115.2
  Top Layer w0.3: R27.2@43.775,93.726 43.775,94.194 47.117,97.536 105.918,97.536 108.966,94.488 108.966,67.067 105.029,63.13
  Top Layer w0.8: 80.626,58.097 80.642,58.08 87.699,58.08 87.715,58.064
  Bottom Layer w0.8: 79.424,56.192 79.784,56.552 79.784,57.733 80.545,58.494 80.645,58.494 83.801,58.494 84.201,58.094 84.201,57.843
  other v1: 80.137,58.097 81.153,58.097
U_H: R43.2 U3.15 U11.1 U_H_in.1 | length 47.1
  Top Layer w0.22: U3.15@26.037,76.129 26.995,76.129 30.382,72.742 44.185,72.742 51.816,65.111 ; 51.816,66.421 51.816,65.111 ; v1@61.976,63.97 v1(61.976,63.852) 61.976,63.685 61.126,62.835 59.173,62.835 58.801,63.206 58.801,64.828 58.524,65.105 56.633,65.105 56.261,64.733 56.261,63.206 55.889,62.835 54.093,62.835 51.816,65.111
U_H3: P_U_H3.2 TP_sig.3 U14.8 | length 15.8
  Top Layer w0.3: P_U_H3.2@37.211,91.186 35.814,89.789 35.814,87.948 36.386,87.376 41.275,87.376 42.926,85.725 TP_sig.3@42.926,85.217 42.926,85.09 U14.8@40.894,83.058 ; U14.8@40.978,83.058 41.279,83.058 U14.8@41.404,83.183
U_H_fpga: J1.11 U3.6 | length 8.5
  Top Layer w0.3: J1.11@12.827,72.771 14.192,74.136 16.478,74.136 18.471,76.129 U3.6@19.937,76.129
U_L: R44.2 U3.14 U11.4 U_L_in.1 | length 48.1
  Top Layer w0.22: U3.14@26.037,75.479 26.969,75.479 30.126,72.322 44.012,72.322 54.681,61.653 56.465,61.653 58.166,63.353 v1(58.166,63.939) v1@58.166,63.97 ; 51.816,68.326 54.102,66.04 v1(54.102,65.786)
  Bottom Layer w0.22: v1(54.102,65.786) 54.102,65.534 56.201,63.435 57.662,63.435 v1(58.166,63.939)
U_L_fpga: J1.12 U3.7 | length 5.7
  Top Layer w0.3: J1.12@15.367,72.771 16.002,72.771 18.687,75.456 19.914,75.456 U3.7@19.937,75.479
V: C7.2 C8.1 D4.2 MOTOR.2 Q3.3 Q4.4 R25.2 U9.6 | length 93.1
  Top Layer w0.3: R25.2@54.824,93.726 54.824,94.194 57.277,96.647 99.187,96.647 100.1,95.734 100.1,90.146 108.077,82.169 108.077,71.178 105.029,68.13
  Top Layer w0.8: 80.626,73.464 80.666,73.504 87.588,73.504 87.715,73.631
  Bottom Layer w0.8: 79.297,71.559 79.297,71.639 80.27,72.612 80.27,73.459 80.545,73.734 80.645,73.734 80.92,73.459 81.853,73.459 82.201,73.111 84.201,73.111
  other v1: 80.137,73.464 81.153,73.464
V_H: R41.2 U3.17 U5.9 V_H_in.1 | length 41.2
  Top Layer w0.22: U3.17@26.037,77.429 26.965,77.429 30.812,73.582 52.743,73.582 55.626,70.699 v1(55.626,67.749) ; 51.816,70.231 v1(53.848,70.231)
  Bottom Layer w0.22: v1(53.848,70.231) 53.848,68.453 54.552,67.749 v1(55.626,67.749)
V_H2: P_V_H2.2 TP_sig.4 U14.6 | length 11.4
  Top Layer w0.3: U14.6@46.228,81.788 45.878,81.788 45.085,82.581 45.085,84.836 TP_sig.4@45.466,85.217 46.736,86.487 46.736,89.662 P_V_H2.2@48.26,91.186
V_H_fpga: J1.9 U3.4 | length 8
  Top Layer w0.3: J1.9@12.827,75.311 14.097,76.581 16.637,76.581 17.485,77.429 U3.4@19.937,77.429
V_L: R42.2 U3.16 U5.12 V_L_in.1 | length 44.4
  Top Layer w0.22: U3.16@26.037,76.779 26.939,76.779 30.556,73.162 51.816,73.162 ; 51.816,72.136 51.816,73.162 ; v1@59.436,67.718 v1(59.436,67.749) 59.436,68.638 58.928,69.146 56.642,69.146 56.261,68.765 56.261,66.8 56.007,66.546 55.177,66.546 54.991,66.733 54.991,70.741 52.57,73.162 51.816,73.162
V_L_fpga: J1.10 U3.5 | length 5.2
  Top Layer w0.3: J1.10@15.367,75.311 16.256,75.311 17.724,76.779 U3.5@19.937,76.779
V_M: "Analog selection.5" R18.1 R19.2 R21.2 | length 40.5
  Top Layer w0.3: R21.2@57.912,83.272 60.071,83.272 R19.2@60.071,81.32
  Bottom Layer w0.3: 50.673,49.911 52.13,51.368 52.13,73.72 57.912,79.502 v1(57.912,83.312)
V_soc: C9.2 C13.2 C17.2 J1.1 U3.2 U8.2 U10.2 | length 51.2
  Top Layer w0.4: J1.1@12.827,85.471 14.097,84.201 20.066,84.201 21.045,83.222 C9.2@21.045,81.407 21.336,81.116 21.336,78.994 ; U10.2@19.937,50.916 19.962,50.941 20.903,50.941 21.137,51.175 ; U8.2@19.937,66.283 19.962,66.308 20.969,66.308 ; U3.2@20.318,78.754 21.096,78.754 21.336,78.994 ; C17.2@21.045,53.594 21.137,53.502 21.137,51.175 ; C13.2@21.045,68.961 21.045,68.911 21.223,68.733 21.223,66.562 ; 20.969,66.308 22.056,65.221 22.056,52.094 21.137,51.175 ; 20.969,66.308 21.223,66.562 ; 21.223,66.562 21.971,67.31 21.971,78.359 21.336,78.994
VIN0: "Analog selection.2" U2.7 | length 4.4
  Top Layer w0.3: U2.7@44.678,46.045 44.688,46.035 44.688,45.268 45.125,44.831 48.133,44.831
VIN1: "Analog selection.4" U2.8 | length 3.4
  Top Layer w0.3: U2.8@45.328,46.045 46.807,46.045 48.133,47.371
VIN2: "Analog selection.6" U2.10 | length 5
  Top Layer w0.3: U2.10@44.678,51.745 44.678,50.445 45.212,49.911 48.133,49.911
VIN3: "Analog selection.8" U2.9 | length 3.1
  Top Layer w0.3: U2.9@45.328,51.745 47.062,51.745 47.768,52.451 48.133,52.451
W: C1.2 C2.1 D2.2 MOTOR.3 Q1.3 Q2.4 R23.2 U4.6 | length 72.3
  Top Layer w0.3: R23.2@65.873,93.726 65.873,94.194 67.437,95.758 98.552,95.758 99.06,95.25 99.06,87.884 105.029,81.915 105.029,73.13
  Top Layer w0.8: U4.6@81.153,89.204 87.708,89.204 87.715,89.197
  Bottom Layer w0.8: 79.297,87.434 79.297,87.514 80.27,88.487 80.27,89.334 80.545,89.609 80.645,89.609 83.801,89.609 84.201,89.209 84.201,89.085
  other v1: 81.153,89.212
W_H: R39.2 U3.20 U5.4 W_H_in.1 | length 36.3
  Top Layer w0.22: U3.20@26.037,79.379 26.92,79.379 31.877,74.422 53.419,74.422 53.919,74.923 56.796,74.923 58.166,73.552 58.166,73.368 v1(58.166,73.337)
  Top Layer w0.3: 51.816,74.462 W_H_in.1@51.816,75.565
W_H1: P_W_H1.2 TP_sig.5 U14.4 | length 21.8
  Top Layer w0.3: U14.4@46.228,79.248 46.578,79.248 48.006,80.676 ; 48.006,80.645 TP_sig.5@48.006,85.217 55.118,85.217 57.912,88.011 57.912,89.789 P_W_H1.2@59.309,91.186
W_H_fpga: J1.7 U3.1 | length 7.7
  Top Layer w0.3: J1.7@12.827,77.851 14.002,79.026 15.664,79.026 16.017,79.379 U3.1@19.937,79.379
W_L_fpga: J1.8 U3.3 | length 4.7
  Top Layer w0.3: J1.8@15.367,77.851 15.52,78.004 19.862,78.004 U3.3@19.937,78.079
Z: C15.2 C16.1 D8.2 EXTRA.2 Q7.3 Q8.4 R29.2 U15.6 | length 143.3
  Top Layer w0.3: R29.2@32.726,93.726 32.726,94.956 36.195,98.425 107.823,98.425 109.855,96.393 109.855,54.102 105.073,49.32
  Top Layer w0.8: 80.626,42.603 80.666,42.563 87.65,42.563 87.715,42.498
  Bottom Layer w0.8: 79.424,40.698 79.424,40.778 80.27,41.624 80.27,42.725 80.545,43 80.645,43 83.959,43 84.201,42.758
  other v1: 80.137,42.545 81.153,42.603
Z_H: R45.2 U3.13 U11.12 Z_H_in.1 | length 50
  Top Layer w0.22: U3.13@26.037,74.829 27.025,74.829 29.952,71.902 43.838,71.902 53.721,62.019 53.721,57.556 54.261,57.016 54.451,57.016 54.991,57.556 54.991,59.083 55.363,59.455 57.159,59.455 57.531,59.083 57.531,57.556 57.903,57.185 58.917,57.185 59.436,57.703 v1@59.436,58.32 ; 51.816,59.817 51.899,59.9 52.661,59.9 v1(52.705,59.944)
  Bottom Layer w0.22: v1(52.705,59.944) v1(53.848,59.944)
  other v1: 59.436,58.438
Z_H4: P_Z_H4.2 TP_sig.2 U14.10 | length 26.6
  Top Layer w0.3: P_Z_H4.2@26.162,91.186 24.765,89.789 24.765,87.757 25.654,86.868 38.19,86.868 39.841,85.217 TP_sig.2@40.386,85.217 39.497,84.328 39.497,81.649 40.628,80.518 U14.10@40.978,80.518
Z_H_fpga: J1.15 U3.8 | length 11.8
  Top Layer w0.3: J1.15@12.827,67.691 14.097,68.961 15.875,68.961 17.272,70.358 17.272,73.334 18.767,74.829 U3.8@19.937,74.829
Z_L: R46.2 U3.12 U11.9 Z_L_in.1 | length 42.2
  Top Layer w0.22: U3.12@26.037,74.179 26.913,74.179 29.61,71.482 43.664,71.482 51.858,63.288 ; 51.816,61.722 51.816,63.246 51.858,63.288 ; v1@55.626,58.32 55.626,57.598 54.625,56.596 54.087,56.596 53.301,57.383 53.301,61.845 51.858,63.288
  other v1: 55.626,58.438
Z_L_fpga: J1.16 U3.9 | length 9.2
  Top Layer w0.3: J1.16@15.367,67.691 15.63,67.691 17.772,69.833 17.772,73.127 18.824,74.179 U3.9@19.937,74.179
pads on no net: J1.2 J1.34 Q?.1 Q?.2 Q?.3 Sensor_switch.S1 Sensor_switch.S2 U1.1 U1.3 U1.5 U1.7 U1.8 U19.2 U19.3 U19.5

## Polygon pours and split planes (outlines as drawn)
GND on Top Layer "GND_L01_P028" (solid, remove dead copper, pour order 28): 10.033,98.806 110.617,98.806 110.617,10.922 10.033,10.922
W on Top Layer "Top Layer-W" (solid, pour order 0): 86.487,90.101 90.932,90.101 90.932,87.815 96.52,87.815 107.061,77.264 107.061,71.813 102.87,71.813 102.87,75.114 98.171,79.814 89.154,79.814 89.154,86.926 86.487,86.926
V on Top Layer "Top Layer-V" (solid, pour order 2): 107.061,69.781 107.061,66.479 99.949,66.479 98.171,64.701 91.059,64.701 89.281,66.479 89.281,71.178 89.154,71.305 86.36,71.305 86.36,74.48 91.059,74.48 91.059,72.448 91.186,72.321 98.171,72.321 100.711,69.781
Z on Top Layer "Top Layer-Z" (solid, pour order 10): 103.251,38.735 103.251,48.006 106.426,48.006 106.426,50.673 100.968,50.673 98.552,48.387 98.552,40.825 91.382,40.825 90.678,41.529 90.678,43.365 86.36,43.365 86.36,40.317 88.842,40.317 89.916,39.243 89.916,33.332 97.847,33.332
U on Top Layer "Top Layer-U" (solid, pour order 4): 106.934,64.701 102.997,64.701 102.997,61.272 98.171,56.446 90.932,56.446 90.932,58.859 86.36,58.859 86.36,55.811 89.027,55.811 91.059,53.778 91.059,48.699 98.425,48.699 106.934,57.208
NetR33_1 on Top Layer "Top Layer-NetR33_1" (solid, pour order 24): 82.677,34.983 82.677,38.666 54.737,38.666 54.737,34.983
GND on Bottom Layer "Bottom Layer-GND" (solid, remove dead copper, pour order 30): 10.033,98.806 110.617,98.806 110.617,10.922 10.033,10.922
M_VCC on Bottom Layer "Bottom Layer-M_VCC" (solid, pour order 12): 92.583,14.282 97.409,14.282 97.409,94.927 92.583,94.927
NetQ2_3 on Bottom Layer "Bottom Layer-NetQ2_3" (solid, pour order 22): 78.232,31.046 78.232,34.729 82.677,34.729 86.106,38.158 86.106,82.481 89.535,82.481 89.535,31.046
NetSensor_switch_1 on Bottom Layer "Bottom Layer-NetSensor_switch_1" (solid, pour order 20): 78.232,31.046 82.55,31.046 82.55,23.299 78.232,23.299

## Keep-outs
Keep-Out Layer:
  lines w0.2: 10.033,98.864 ccw(c10.033,98.737) 9.906,98.737 9.906,10.98 ccw(c10.033,10.98) 10.033,10.852 110.49,10.852 ccw(c110.49,10.98) 110.617,10.98 110.617,98.737 ccw(c110.49,98.737) 110.49,98.864 ; 10.033,98.991 110.49,98.991

## Silkscreen, mask and mechanical layers (free items; w line width, h text height)
Top Overlay:
  lines w0.254: 10.033,10.98 110.49,10.98 110.49,98.933 10.033,98.933 10.033,10.98
  text "U V W" at 108.966,77.978 h1.52 r90
  text "H4  Z" at 108.966,52.451 h1.52 r90
  text "H3 H2 H1" at 109.347,35.941 h1.52 r90
  text "+" at 97.917,14.732 h3

## Dimensions
110.49,98.933 to 10.033,10.98 on Top Overlay
110.49,98.933 to 110.49,10.98 on Top Overlay

## Text inside footprints (layer, text, board x,y; h text height)
"Analog selection": Top Overlay "1" at 51.203,42.701 h1.02 r90; Top Overlay "2" at 48.503,42.401 h1.02 r90; Top Overlay "7" at 51.203,54.181 h1.02 r90; Top Overlay "8" at 48.503,54.181 h1.02 r90
J1: Top Overlay "34" at 14.997,43.101 h1.02 r270; Top Overlay "33" at 12.297,43.101 h1.02 r270; Top Overlay "1" at 12.297,87.601 h1.02 r270; Top Overlay "2" at 14.997,87.901 h1.02 r270
P1: Top Overlay "8" at 35.571,40.942 h1.02 r270; Top Overlay "7" at 32.871,40.942 h1.02 r270; Top Overlay "2" at 35.571,52.722 h1.02 r270; Top Overlay "1" at 32.871,52.422 h1.02 r270
"Sensors Signals": Top Overlay "1" at 32.871,69.567 h1.02 r270; Top Overlay "2" at 35.571,69.867 h1.02 r270; Top Overlay "7" at 32.871,58.087 h1.02 r270; Top Overlay "8" at 35.571,58.087 h1.02 r270